# Altium PCB ADC130MSPS-V1-01.PcbDoc (part 3 of 7)
Units mil, origin at the board's own origin, x right, y up, seen from the top; angles counter-clockwise.
Board outline 3011.81 x 2716.54 mil, 8 copper layers (Top Layer, GND1, L3, GND2, L5, GND3, POWER, Bottom Layer), stack 53.051 mil thick; 405 components, 449 nets, 2142 pads, 1651 vias.
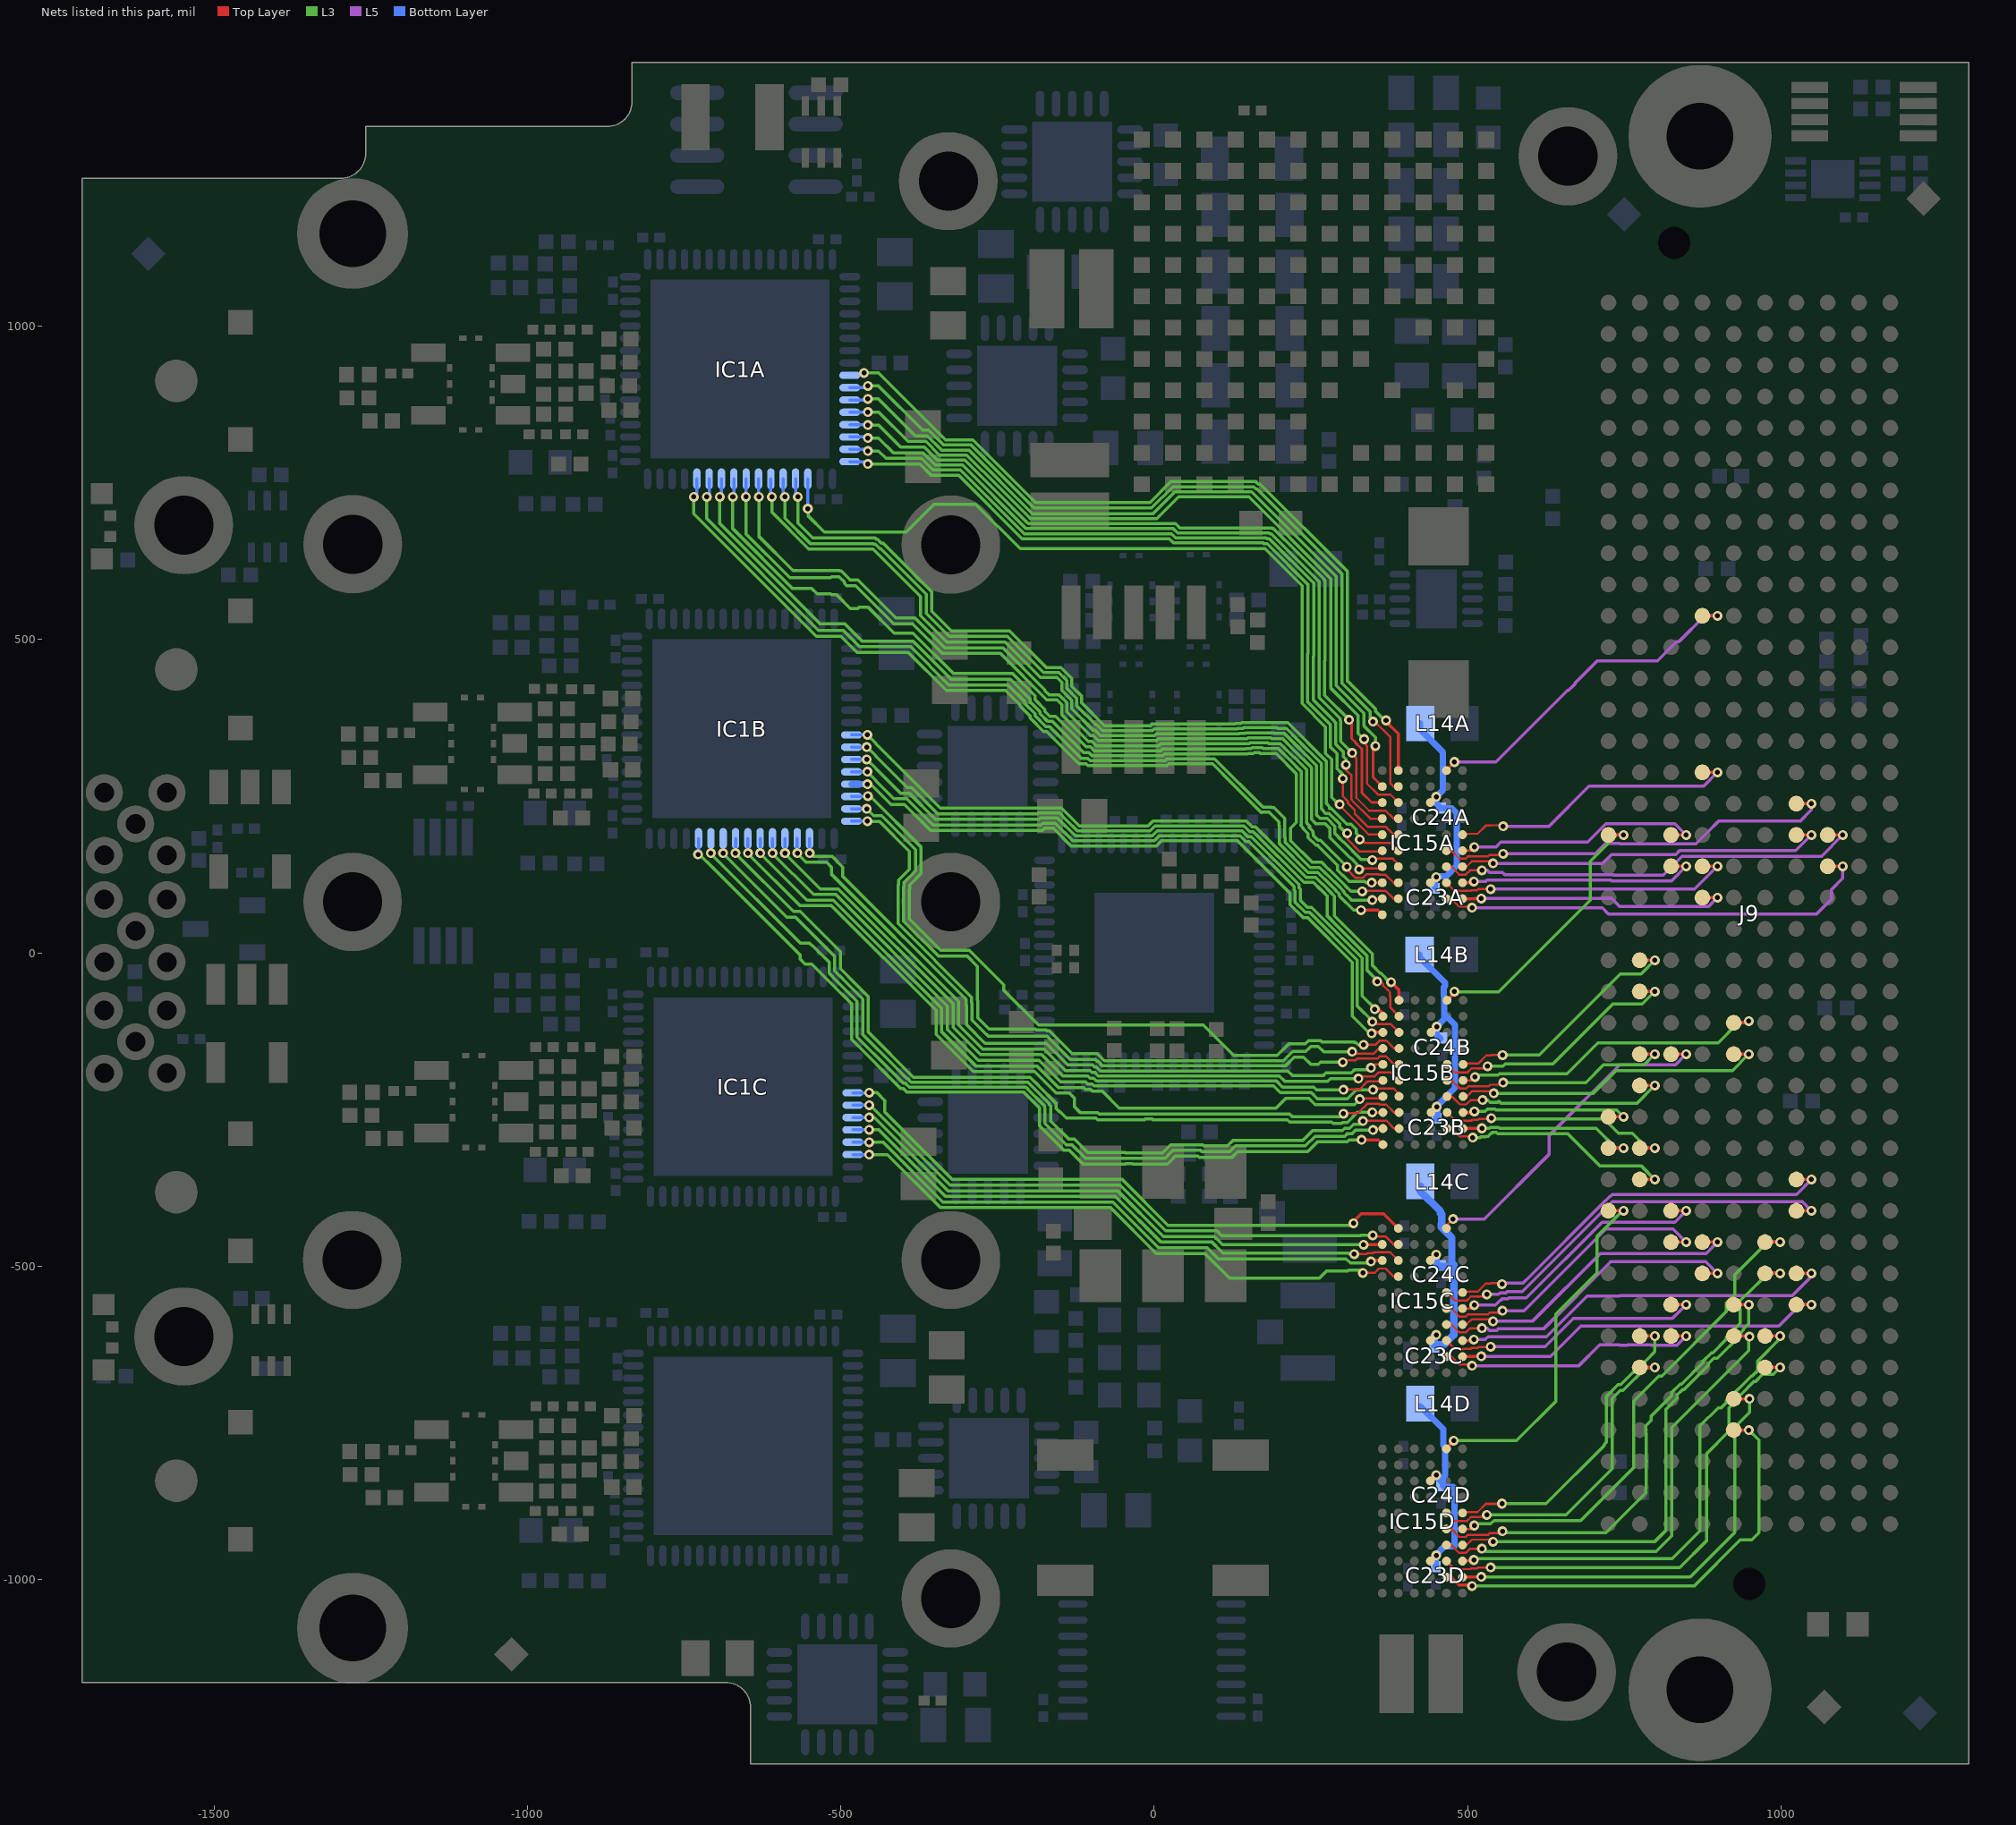
[diagram p9: the nets of this part, all layers, seen from the top]

## Via types
v1: diameter 15.75, hole 7.87, Top Layer to Bottom Layer, tented both sides, 1222 vias
v2: diameter 19.68, hole 7.87, Top Layer to Bottom Layer, tented both sides, 285 vias
v3: diameter 15.75, hole 7.87, Top Layer to Bottom Layer, 144 vias

## Nets (pads, with @x,y where several pads share a name; then routed paths per layer and width w, separated by ;. In a path a pad name is that pad's centre, name@x,y a point inside that pad or via, vN(x,y) a via of type N, cw(c..) or ccw(c..) an arc to the next point about the centre after c; other vN are vias at no path point) (continued)
B_DA6B: IC15B.F2 J9.j18 | length 414.7
  Top Layer w3.5: IC15B.F2@467.41,-178.27 467.72,-178.27 480.36,-190.91 500.13,-190.91 506.38,-184.66 517.67,-184.66 518.09,-185.09 518.52,-184.66 528.65,-184.66 v1(532.02,-181.28)
  Top Layer w5: J9.j18@774.92,-61.99 v1(799,-62)
  L3 w5: v1(532.02,-181.28) 539.62,-181.28 539.72,-181.19 556.81,-181.19 560.34,-177.66 636.34,-177.66 732,-82 779,-82 v1(799,-62)
B_DA6C: IC15C.F2 J9.d11 | length 683.9
  Top Layer w3.5: IC15C.F2@466.39,-542.42 IC15C.F2@466.7,-542.43 ; IC15C.F2@466.39,-542.42 IC15C.F2@466.7,-542.42 ; v1(531,-545.44) 527.62,-548.82 517.5,-548.82 517.07,-549.24 516.64,-548.82 505.36,-548.82 499.11,-555.07 479.34,-555.07 IC15C.F2@466.7,-542.43
  Top Layer w5: J9.d11@1024.92,-411.99 v1(1049,-412)
  L5 w5: v1(531,-545.44) 549.84,-545.44 551.9,-543.37 560.95,-543.37 563.14,-541.18 587.59,-541.18 731.15,-397.63 1034.63,-397.63 v1(1049,-412)
  L3 w5: v1@538.6,-545.44 v1@538.69,-545.35
B_DA6D: IC15D.F2 J9.j6 | length 529.6
  Top Layer w3.5: IC15D.F2@466.39,-894.43 466.7,-894.43 479.34,-907.07 499.11,-907.07 505.36,-900.82 516.64,-900.82 517.07,-901.24 517.5,-900.82 527.62,-900.82 v1(531,-897.44)
  Top Layer w5: J9.j6@774.92,-661.99 v1(799,-662)
  L3 w5: v1(531,-897.44) 657.56,-897.44 731,-824 731,-711.67 744.05,-698.63 748.37,-698.63 785,-662 v1(799,-662)
B_DA7A: IC15A.F1 J9.g25 | length 473.6
  Top Layer w3.5: IC15A.F1@491.98,188.57 493.34,189.93 516.11,189.93 529.11,202.93 536.64,202.93 537.27,203.56 555,203.56 555.56,203 556,203 v1(557,202)
  Top Layer w5: J9.g25@874.92,288.01 v1(899,288)
  L5 w5: v1(557,202) 630,202 694,266 877,266 v1(899,288)
B_DA7B: IC15B.F1 J9.j19 | length 398.9
  Top Layer w3.5: IC15B.F1@493,-178.27 494.36,-176.91 517.13,-176.91 530.13,-163.91 537.67,-163.91 538.29,-163.28 v1(556.02,-163.28)
  Top Layer w5: J9.j19@774.92,-11.99 v1(799,-12)
  L3 w5: v1(556.02,-163.28) 614.72,-163.28 744,-34 777,-34 v1(799,-12)
B_DA7C: IC15C.F1 J9.d12 | length 659
  Top Layer w3.5: IC15C.F1@491.98,-542.42 493.34,-541.07 516.11,-541.07 529.11,-528.07 536.64,-528.07 537.27,-527.44 555,-527.44 v1(555,-529)
  Top Layer w5: J9.d12@1024.92,-361.99 v1(1049,-362)
  L5 w5: v1(555,-529) 555,-527.44 588.61,-527.44 600.15,-515.9 714.05,-402 727.42,-388.63 728.32,-388.63 730.94,-386 1025,-386 v1(1049,-362)
B_DA7D: IC15D.F1 J9.j7 | length 506.7
  Top Layer w3.5: IC15D.F1@491.98,-894.43 493.34,-893.07 516.11,-893.07 529.11,-880.07
  Top Layer w4.37: 529.11,-880.07 554.38,-880.07 v1(555,-879.44)
  Top Layer w5: J9.j7@774.92,-611.99 v1(799,-612)
  L3 w5: v1(555,-879.44) 625.56,-879.44 718,-787 718,-785.27 721.43,-781.84 721.43,-720.05 722,-719.48 722,-707.94 740.32,-689.63 744.65,-689.63 781.27,-653 783,-653 799,-637 v1(799,-612)
B_DA8A: IC15A.E2 J9.d24 | length 656.4
  Top Layer w3.5: IC15A.E2@466.39,162.98 474.1,162.98 486.74,150.34 497.21,150.34 500.56,153.69 532.86,153.69 535.36,156.18 552.62,156.18 556,159.56 556,159 v1(557,158)
  Top Layer w5: J9.d24@1024.92,238.01 v1(1049,238)
  L5 w5: v1(557,158) 704,158 720.26,174.26 742.41,174.26 743.05,173.63 864.63,173.63 884.63,193.63 884.63,193.95 900.67,210 1031,210 1049,228 v1(1049,238)
B_DA8B: IC15B.E2 J9.j16 | length 383.5
  Top Layer w3.5: IC15B.E2@467.41,-203.86 475.12,-203.86 487.76,-216.5 498.24,-216.5 501.58,-213.15 533.89,-213.15 536.38,-210.66 553.65,-210.66 v1(557.02,-207.28)
  Top Layer w5: J9.j16@774.92,-161.99 v1(799,-162)
  L3 w5: v1(557.02,-207.28) 688.72,-207.28 717,-179 782,-179 v1(799,-162)
B_DA8C: IC15C.E2 J9.h10 | length 478.5
  Top Layer w3.5: IC15C.E2@466.39,-568.01 474.1,-568.02 486.74,-580.66 497.21,-580.66 500.56,-577.31 532.86,-577.31 535.36,-574.82 552.62,-574.82 v1(556,-571.44)
  Top Layer w5: J9.h10@824.92,-461.99 v1(849,-462)
  L5 w5: v1(556,-571.44) 590.56,-571.44 721,-441 828,-441 v1(849,-462)
B_DA8D: IC15D.E2 J9.e9 | length 833.4
  Top Layer w3.5: IC15D.E2@466.39,-920.02 474.1,-920.02 486.74,-932.66 497.21,-932.66 500.56,-929.31 532.86,-929.31 535.36,-926.82 552.62,-926.82 v1(556,-923.44)
  Top Layer w5: J9.e9@974.92,-511.99 v1(999,-512)
  L3 w5: v1(556,-923.44) 558.36,-925.8 721.2,-925.8 784.63,-862.37 784.63,-856.05 785.2,-855.48 785.2,-767.52 784.63,-766.95 784.63,-755.05 793.05,-746.63 793.05,-739.84 825.63,-707.26 825.63,-702.32 839.32,-688.63 841.65,-688.63 875.63,-654.65 875.63,-652.32 889.32,-638.63 891.65,-638.63 912.81,-617.47 912.81,-614.39 935.2,-592 935.2,-568.52 934.63,-567.95 934.63,-556.05 943.05,-547.63 943.85,-547.63 979.48,-512 v1(999,-512)
B_DA9A: IC15A.E1 J9.h23 | length 410.1
  Top Layer w3.5: IC15A.E1@491.98,162.98 505.43,162.98 v1(511,168.56)
  Top Layer w5: J9.h23@824.92,188.01 v1(849,188)
  L5 w5: v1(511,168.56) 545.38,168.56 553.38,176.56 691.56,176.56 721,206 831,206 v1(849,188)
  L3 w5: v1(511,168.56) v1@513.63,171.18
B_DA9B: IC15B.E1 J9.f17 | length 524.1
  Top Layer w3.5: IC15B.E1@493,-203.86 506.45,-203.86 v1(512.02,-198.28)
  Top Layer w5: J9.f17@924.92,-111.99 948.99,-111.99 v1(949,-109)
  L3 w5: v1(512.02,-198.28) 514.65,-195.66 548.32,-195.66 551.07,-192.91 659.09,-192.91 708,-144 900,-144 932,-112 949,-112 v1(949,-109)
B_DA9C: IC15C.E1 J9.h11 | length 449.4
  Top Layer w3.5: IC15C.E1@491.98,-568.01 505.43,-568.02 v1(511,-562.44)
  Top Layer w5: J9.h11@824.92,-411.99 v1(849,-412)
  L5 w5: v1(511,-562.44) 544.67,-562.44 552.67,-554.44 553.57,-554.44 555.63,-552.37 564.68,-552.37 566.06,-551 594,-551 715,-430 831,-430 v1(849,-412)
  L3 w5: v1(511,-562.44) v1@513.63,-559.82
B_DA9D: IC15D.E1 J9.e10 | length 809.5
  Top Layer w3.5: IC15D.E1@491.98,-920.02 505.43,-920.02 v1(511,-914.44)
  Top Layer w5: J9.e10@974.92,-461.99 v1(999,-462)
  L3 w5: v1(511,-914.44) 513.63,-911.82 536.95,-911.82 542.33,-906.44 680.56,-906.44 765,-822 765,-716 804.63,-676.37 804.95,-676.37 805.33,-676 810,-676 913.37,-572.63 913.37,-559 927,-545.37 927,-513.67 978.67,-462 v1(999,-462)
B_DA10A: IC15A.D2 J9.c23 | length 701.2
  Top Layer w3.5: IC15A.D2@466.39,137.39 474.1,137.39 486.74,124.75 497.21,124.75 504.02,131.56 v1(523,131.56)
  Top Layer w5: J9.c23@1074.92,188.01 v1(1099,188)
  L5 w5: v1(523,131.56) 531.67,131.56 535.05,128.18 556,128.18 559.25,124.93 732.42,124.93 733.73,123.63 754.95,123.63 755.33,124 792.67,124 793.05,123.63 804.95,123.63 805.33,124 812.27,124 842.27,154 1065,154 v1(1099,188)
  L3 w5: v1(523,131.56) v1@527.37,127.18
B_DA10B: IC15B.D2 J9.j15 | length 378
  Top Layer w3.5: IC15B.D2@467.41,-229.45 475.12,-229.45 487.76,-242.09 498.24,-242.09 505.04,-235.28 v1(524.02,-235.28)
  Top Layer w5: J9.j15@774.92,-211.99 v1(799,-212)
  L3 w5: v1(524.02,-235.28) 532.7,-235.28 536.07,-238.66 547.98,-238.66 548.84,-237.79 550.79,-237.79 553,-240 771,-240 v1(799,-212)
B_DA10C: IC15C.D2 J9.g9 | length 526.3
  Top Layer w3.5: IC15C.D2@466.39,-593.6 474.1,-593.61 486.74,-606.25 497.21,-606.25 504.02,-599.44 v1(523,-599.44)
  Top Layer w5: J9.g9@874.92,-511.99 v1(899,-512)
  L5 w5: v1(523,-599.44) 531.67,-599.44 535.05,-602.82 546.95,-602.82 549.88,-599.88 622.12,-599.88 728,-494 728,-493 880,-493 v1(899,-512)
  L3 w5: v1(523,-599.44) v1@527.37,-603.82
B_DA10D: IC15D.D2 J9.f7 | length 776.6
  Top Layer w3.5: IC15D.D2@466.39,-945.61 474.1,-945.61 486.74,-958.25 497.21,-958.25 504.02,-951.44 v1(523,-951.44)
  Top Layer w5: J9.f7@924.92,-611.99 948.99,-611.99 v1(950,-613)
  L3 w5: v1(523,-951.44) 527.37,-955.82 801.19,-955.82 826,-931 826,-758 949,-635 949,-612 v1(950,-613)
B_DA11A: IC15A.D1 J9.d23 | length 605
  Top Layer w3.5: IC15A.D1@491.98,137.39 498.21,137.39 506.88,146.06 537.5,146.06 v1(541,142.56)
  Top Layer w5: J9.d23@1024.92,188.01 v1(1049,188)
  L5 w5: v1(541,142.56) 715.56,142.56 730,157 832.54,157 838.54,163 872.73,163 1024,163 v1(1049,188)
B_DA11B: IC15B.D1 J9.f16 | length 510.9
  Top Layer w3.5: IC15B.D1@493,-229.45 499.24,-229.45 507.9,-220.78 538.52,-220.78 v1(542.02,-224.28)
  Top Layer w5: J9.f16@924.92,-161.99 v1(949,-162)
  L3 w5: v1(542.02,-224.28) 700.72,-224.28 737,-188 923,-188 v1(949,-162)
B_DA11C: IC15C.D1 J9.g10 | length 488.5
  Top Layer w3.5: IC15C.D1@491.98,-593.6 498.21,-593.61 506.88,-584.94 537.5,-584.94 v1(541,-588.44)
  Top Layer w5: J9.g10@874.92,-461.99 v1(899,-462)
  L5 w5: v1(541,-588.44) 603.56,-588.44 712,-480 881,-480 v1(899,-462)
B_DA11D: IC15D.D1 J9.f8 | length 781.3
  Top Layer w3.5: IC15D.D1@491.98,-945.61 498.21,-945.61 506.88,-936.94 537.5,-936.94 v1(541,-940.44)
  Top Layer w5: J9.f8@924.92,-561.99 v1(949,-562)
  L3 w5: v1(541,-940.44) 798.56,-940.44 817,-922 817,-728.61 834.63,-710.98 834.63,-706.05 843.05,-697.63 845.37,-697.63 884.63,-658.37 884.63,-656.05 893.05,-647.63 899,-647.63 935.63,-611 935.63,-607.05 940.48,-602.2 940.48,-601 949,-592.48 v1(949,-562)
B_DA12A: IC15A.C2 J9.g22 | length 478.2
  Top Layer w3.5: IC15A.C2@466.39,111.8 479.25,98.93 505.36,98.93 506.36,99.93 515.64,99.93 517.27,101.56 v1(537,101.56)
  Top Layer w5: J9.g22@874.92,138.01 v1(899,138)
  L5 w5: v1(537,101.56) 862.56,101.56 v1(899,138)
B_DA12B: IC15B.C2 J9.j13 | length 384
  Top Layer w3.5: IC15B.C2@467.41,-255.04 480.28,-267.91 506.38,-267.91 507.38,-266.91 516.67,-266.91 518.29,-265.28 v1@538.02,-265.28 ; v1@538,-265.26 v1(538,-264)
  Top Layer w5: J9.j13@774.92,-311.99 v1(799,-312)
  L3 w5: v1@538.02,-265.28 718.28,-265.28 741,-288 763,-288 787,-312 v1(799,-312) ; v1@538,-265.26 v1(538,-264)
B_DA12C: IC15C.C2 J9.h8 | length 440.9
  Top Layer w3.5: IC15C.C2@466.39,-619.19 479.25,-632.07 505.36,-632.07 506.36,-631.07 515.64,-631.07 517.27,-629.44 v1@537,-629.44
  Top Layer w5: J9.h8@824.92,-561.99 v1(849,-562)
  L5 w5: v1(537,-629) 624,-629 669,-584 827,-584 v1(849,-562)
B_DA12D: IC15D.C2 J9.e6 | length 800.3
  Top Layer w3.5: IC15D.C2@466.39,-971.2 479.25,-984.07 505.36,-984.07 506.36,-983.07 515.64,-983.07 517.27,-981.44 v1(537,-981.44)
  Top Layer w5: J9.e6@974.92,-661.99 v1(999,-662)
  L3 w5: v1(537,-981.44) 839,-981.44 882,-938.44 882,-799.33 917.5,-763.83 917.5,-753.77 917.57,-753.7 917.57,-726.49 922.37,-721.68 922.37,-719.44 935.76,-706.05 935.76,-705.71 956.67,-684.8 959.25,-684.8 971.06,-673 988,-673 v1(999,-662)
B_DA13A: IC15A.C1 J9.h22 | length 399.2
  Top Layer w5: IC15A.C1@491.98,111.8 508.24,111.8 v1(510,113.56) ; J9.h22@824.92,138.01 v1(849,138)
  L5 w5: v1(510,113.56) 528.67,113.56 531.05,115.93 728.69,115.93 730,114.63 743,114.63 825.63,114.63 v1(849,138)
  L3 w5: v1(510,113.56) 511,112.56 v1@514.37,115.93
B_DA13B: IC15B.C1 J9.k14 | length 287.4
  Top Layer w5: IC15B.C1@493,-255.04 509.27,-255.04 v1(511.02,-253.28) ; J9.k14@724.92,-261.99 v1(749,-262)
  L3 w5: v1(511.02,-253.28) 528.39,-253.28 532.05,-249.63 543.95,-249.63 545.24,-250.91 737.91,-250.91 v1(749,-262)
B_DA13C: IC15C.C1 J9.d9 | length 634.6
  Top Layer w5: IC15C.C1@491.98,-619.19 508.24,-619.2 v1(510,-617.44) ; J9.d9@1024.92,-511.99 v1(1049,-512)
  L5 w5: v1(510,-617.44) 528.23,-617.44 531.05,-614.63 531.37,-614.63 533,-613 626,-613 691,-548 742.67,-548 743.05,-547.63 1018.37,-547.63 1049,-517 v1(1049,-512)
  L3 w5: v1(510,-617.44) 511,-618.44 v1@514.37,-615.07
B_DA13D: IC15D.C1 J9.e7 | length 792
  Top Layer w5: IC15D.C1@491.98,-971.2 508.24,-971.2 v1(510,-969.44) ; J9.e7@974.92,-611.99 v1(999,-612)
  L3 w5: v1(510,-969.44) 511,-970.44 514.37,-967.07 826.93,-967.07 871,-923 871,-755.37 900,-726.37 904.95,-726.37 913.37,-717.95 913.37,-715.37 952.94,-675.8 953.75,-675.8 954.18,-675.37 954.95,-675.37 963.37,-666.95 963.37,-655.05 963,-654.67 963,-652 999,-616 v1(999,-612)
B_DA14A: IC15A.B2 J9.c22 | length 728.7
  Top Layer w3.5: IC15A.B2@466.39,86.21 474.1,86.21 486.74,73.57 503.99,73.57 v1@504.14,73.42 ; v1@500,73.56 v1@500.14,73.42 ; v1(507.3,71.84) 505.72,73.42 v1@504.14,73.42 ; v1@500.14,73.42 v1@504.14,73.42 ; v1@500.14,73.42 501,72.56 505,72.56 v1@504.14,73.42
  Top Layer w5: J9.c22@1074.92,138.01 v1(1099,138)
  L5 w5: v1(507.3,71.84) 715.16,71.84 725,62 1057,62 1081.19,86.19 1081.19,101.19 1099,119 v1(1099,138)
B_DA14B: IC15B.B2 J9.j12 | length 406.6
  Top Layer w3.5: IC15B.B2@467.41,-280.63 475.12,-280.63 487.76,-293.27 505.01,-293.27 v1@505.17,-293.43 ; v1@501.02,-293.28 v1@501.17,-293.43 ; v1(508.32,-295) 506.74,-293.43 v1@505.17,-293.43 ; v1@501.17,-293.43 v1@505.17,-293.43 ; v1@501.17,-293.43 502.02,-294.28 506.02,-294.28 v1@505.17,-293.43
  Top Layer w5: J9.j12@774.92,-361.99 v1(799,-362)
  L3 w5: v1(508.32,-295) 520,-295 520.91,-294.09 528.74,-294.09 529.92,-292.92 533.08,-292.92 537,-289 537.78,-289 539.71,-287.07 546.29,-287.07 548.22,-289 660,-289 711,-340 777,-340 v1(799,-362)
B_DA14C: IC15C.B2 J9.h7 | length 443.3
  Top Layer w3.5: IC15C.B2@466.39,-644.78 474.1,-644.79 486.74,-657.43 503.99,-657.43 v1@504.14,-657.58 ; v1@500,-657.44 v1@500.14,-657.58 ; v1(507.3,-659.16) 505.72,-657.58 v1@504.14,-657.58 ; v1@500.14,-657.58 v1@504.14,-657.58 ; v1@500.14,-657.58 501,-658.44 505,-658.44 v1@504.14,-657.58
  Top Layer w5: J9.h7@824.92,-611.99 v1(849,-612)
  L5 w5: v1(507.3,-659.16) 677.84,-659.16 711,-626 742.67,-626 743.05,-626.37 754.95,-626.37 755.16,-626.16 792.84,-626.16 793.05,-626.37 834.63,-626.37 v1(849,-612)
B_DA14D: IC15D.B2 J9.f4 | length 745.2
  Top Layer w5: IC15D.B2@466.39,-996.79 474.1,-996.79 486.74,-1009.43 503.99,-1009.43 v1@504.14,-1009.58 ; v1@500,-1009.44 v1@500.14,-1009.58 ; v1(507.3,-1011.16) 505.72,-1009.58 v1@504.14,-1009.58 ; J9.f4@924.92,-761.99 v1(949,-762) ; v1@500.14,-1009.58 v1@504.14,-1009.58 ; v1@500.14,-1009.58 501,-1010.44 505,-1010.44 v1@504.14,-1009.58
  L3 w5: v1(507.3,-1011.16) 861.57,-1011.16 935.5,-937.23 953.77,-937.23 965,-926 965,-778 v1(949,-762)
B_DA15A: IC15A.B1 J9.g21 | length 442.6
  Top Layer w5: IC15A.B1@491.98,86.21 511.65,86.21 512,86.56 v1(522,86.56) ; J9.g21@874.92,88.01 v1(899,88)
  L5 w5: v1(522,86.56) 730.11,86.56 743.05,73.63 884.63,73.63 v1(899,88)
B_DA15B: IC15B.B1 J9.k13 | length 294.7
  Top Layer w5: IC15B.B1@493,-280.63 512.68,-280.63 513.02,-280.28 v1(523.02,-280.28) ; J9.k13@724.92,-311.99 v1(749,-312)
  L3 w5: v1(523.02,-280.28) 534.58,-280.28 536.22,-278.64 549.78,-278.64 551.42,-280.28 705.28,-280.28 737,-312 v1(749,-312)
B_DA15C: IC15C.B1 J9.d8 | length 615.4
  Top Layer w5: IC15C.B1@491.98,-644.78 511.65,-644.79 512,-644.44 v1(522,-644.44) ; J9.d8@1024.92,-561.99 v1(1049,-562)
  L5 w5: v1(522,-644.44) 632.56,-644.44 681,-596 997,-596 1031,-562 v1(1049,-562)
B_DA15D: IC15D.B1 J9.f5 | length 712.6
  Top Layer w5: IC15D.B1@491.98,-996.79 511.65,-996.79 512,-996.44 v1(522,-996.44) ; J9.f5@924.92,-711.99 948.99,-711.99 v1(950.14,-712)
  L3 w5: v1(522,-996.44) 825,-996.44 855.56,-996.44 926.5,-925.5 926.5,-757.5 950.14,-733.86 v1(950.14,-712)
B_OVFL_AA: IC15A.K2 J9.g30 | length 563.8
  Top Layer w4: IC15A.K2@466.39,290.94 478.01,302.56 481,302.56 v1(479,304.56)
  Top Layer w5: J9.g30@874.92,538.01 v1(899,538)
  L5 w5: v1(479,304.56) 545.56,304.56 659.63,418.63 660.95,418.63 669.37,427.05 671.37,429.05 671.37,430.37 707,466 803,466 834,497 837.67,497 878.67,538 v1(899,538)
B_OVFL_AB: IC15B.K2 J9.k23 | length 457.6
  Top Layer w5: IC15B.K2@467.41,-75.91 479.03,-64.28 482.02,-64.28 480.02,-62.28 479.74,-62 v1(479,-62) ; J9.k23@724.92,188.01 v1(749,188)
  L3 w5: v1(479,-62) 479.74,-62 480.02,-62.28 549.72,-62.28 696,84 696,146 738,188 v1(749,188)
B_OVFL_AC: IC15C.K2 J9.h16 | length 542
  Top Layer w4.37: IC15C.K2@466.39,-440.06 466.39,-435.61 v1(477,-425)
  Top Layer w5: J9.h16@824.92,-161.99 v1(849,-162)
  L5 w5: v1(477,-425) 527,-425 630,-322 630,-292 743,-179 832,-179 v1(849,-162)
B_OVFL_AD: IC15D.K2 J9.k11 | length 580.9
  Top Layer w5: IC15D.K2@466.39,-792.06 466.39,-790.61 v1(478,-779) ; J9.k11@724.92,-411.99 v1(749,-412)
  L3 w5: v1(478,-779) 578.29,-779 641,-716.29 641,-577 707,-511 707,-452.4 747.4,-412 v1(749,-412)
BUF_SUPA: C23A.2 C24A.2 IC15A.C3 IC15A.H3 L14A.1 | length 328.5
  Bottom Layer w10: L14A.1@424.57,366 424.57,356.43 461,320 461,260 v1(450,249) 450,238.78 C24A.2@458,230.78 475.22,230.78 483,223 483,139 466,122 450,122 448,120 C23A.2@448,104.78
  other v1: 450,121
BUF_SUPB: C23B.2 C24B.2 IC15B.C3 IC15B.H3 L14B.1 | length 344.8
  Bottom Layer w10: L14B.1@423.57,-3 423.57,-7.57 464,-48 464,-53.14 462.13,-55.01 462.13,-68.99 463,-69.86 463,-98 ; v1@451.02,-244.84 480,-215.87 480,-115 463,-98 ; C24B.2@457,-137.22 451.02,-131.24 v1(451.02,-117.84) 463,-105.87 463,-98
  Bottom Layer w12: C23B.2@451,-264.22 v1@451,-244.87
  other v1: 451,-246
BUF_SUPC: C23C.2 C24C.2 IC15C.C3 IC15C.H3 L14C.1 | length 363.8
  Bottom Layer w12: L14C.1@424.57,-372 424.57,-380.57 457,-413 457,-415.72 458.88,-417.59 458.88,-432.4 458,-433.28 458,-438 475,-455 475,-501 ; v1@450,-609 447,-612 447,-626.22 461.78,-626.22 478,-610 478,-498 474.78,-501.22 456,-501.22 450,-495.22 v1(450,-482)
  other v1: 450,-610
BUF_SUPD: C23D.2 C24D.2 IC15D.C3 IC15D.H3 L14D.1 | length 320.2
  Bottom Layer w10: L14D.1@424.57,-724 461.13,-760.56 461.13,-785.99 464,-788.86 464,-833 ; C23D.2@449,-980.22 449,-962 450,-961 463,-948 479,-948 479,-855 477,-853 463,-853 461,-851 461,-837 464,-834 ; v1@451,-837 C24D.2@458,-844
  other v1: 450,-962 450,-834
CH1.CLKOUTA: IC1A.41 IC15A.K5 | length 1284.5
  Top Layer w5: v1(370,371) 369,370 389.61,349.39 IC15A.K5@389.61,290.94
  L3 w5: v1(-463.28,925.61) -440,925.61 -333.05,818.66 -289.35,818.66 -189.7,719 -6.63,719 26.37,752 162.27,752 166.27,748 169.1,748 308.5,608.6 308.5,434.01 353.37,389.14 353.37,385.63 369,370 v1(370,371)
CH1.DA0: IC1A.42 IC15A.J5 | length 1322.4
  Top Layer w3.5: v1(349,369) 350,369 351,370 377,344 377,270.25 381.9,265.35 IC15A.J5@389.61,265.35
  L3 w5: v1(-457,904.86) -440,904.86 -369.51,834.37 -360.08,834.37 -336.36,810.66 -292.67,810.66 -192.01,710 -4.31,710 29.69,744 158.95,744 162.95,740 164.37,740 299.5,604.87 299.5,430.28 344.37,385.41 344.37,375.63 v1@350,370